# Altium PCB IFAT6.PcbDoc (part 1 of 5) (continued)
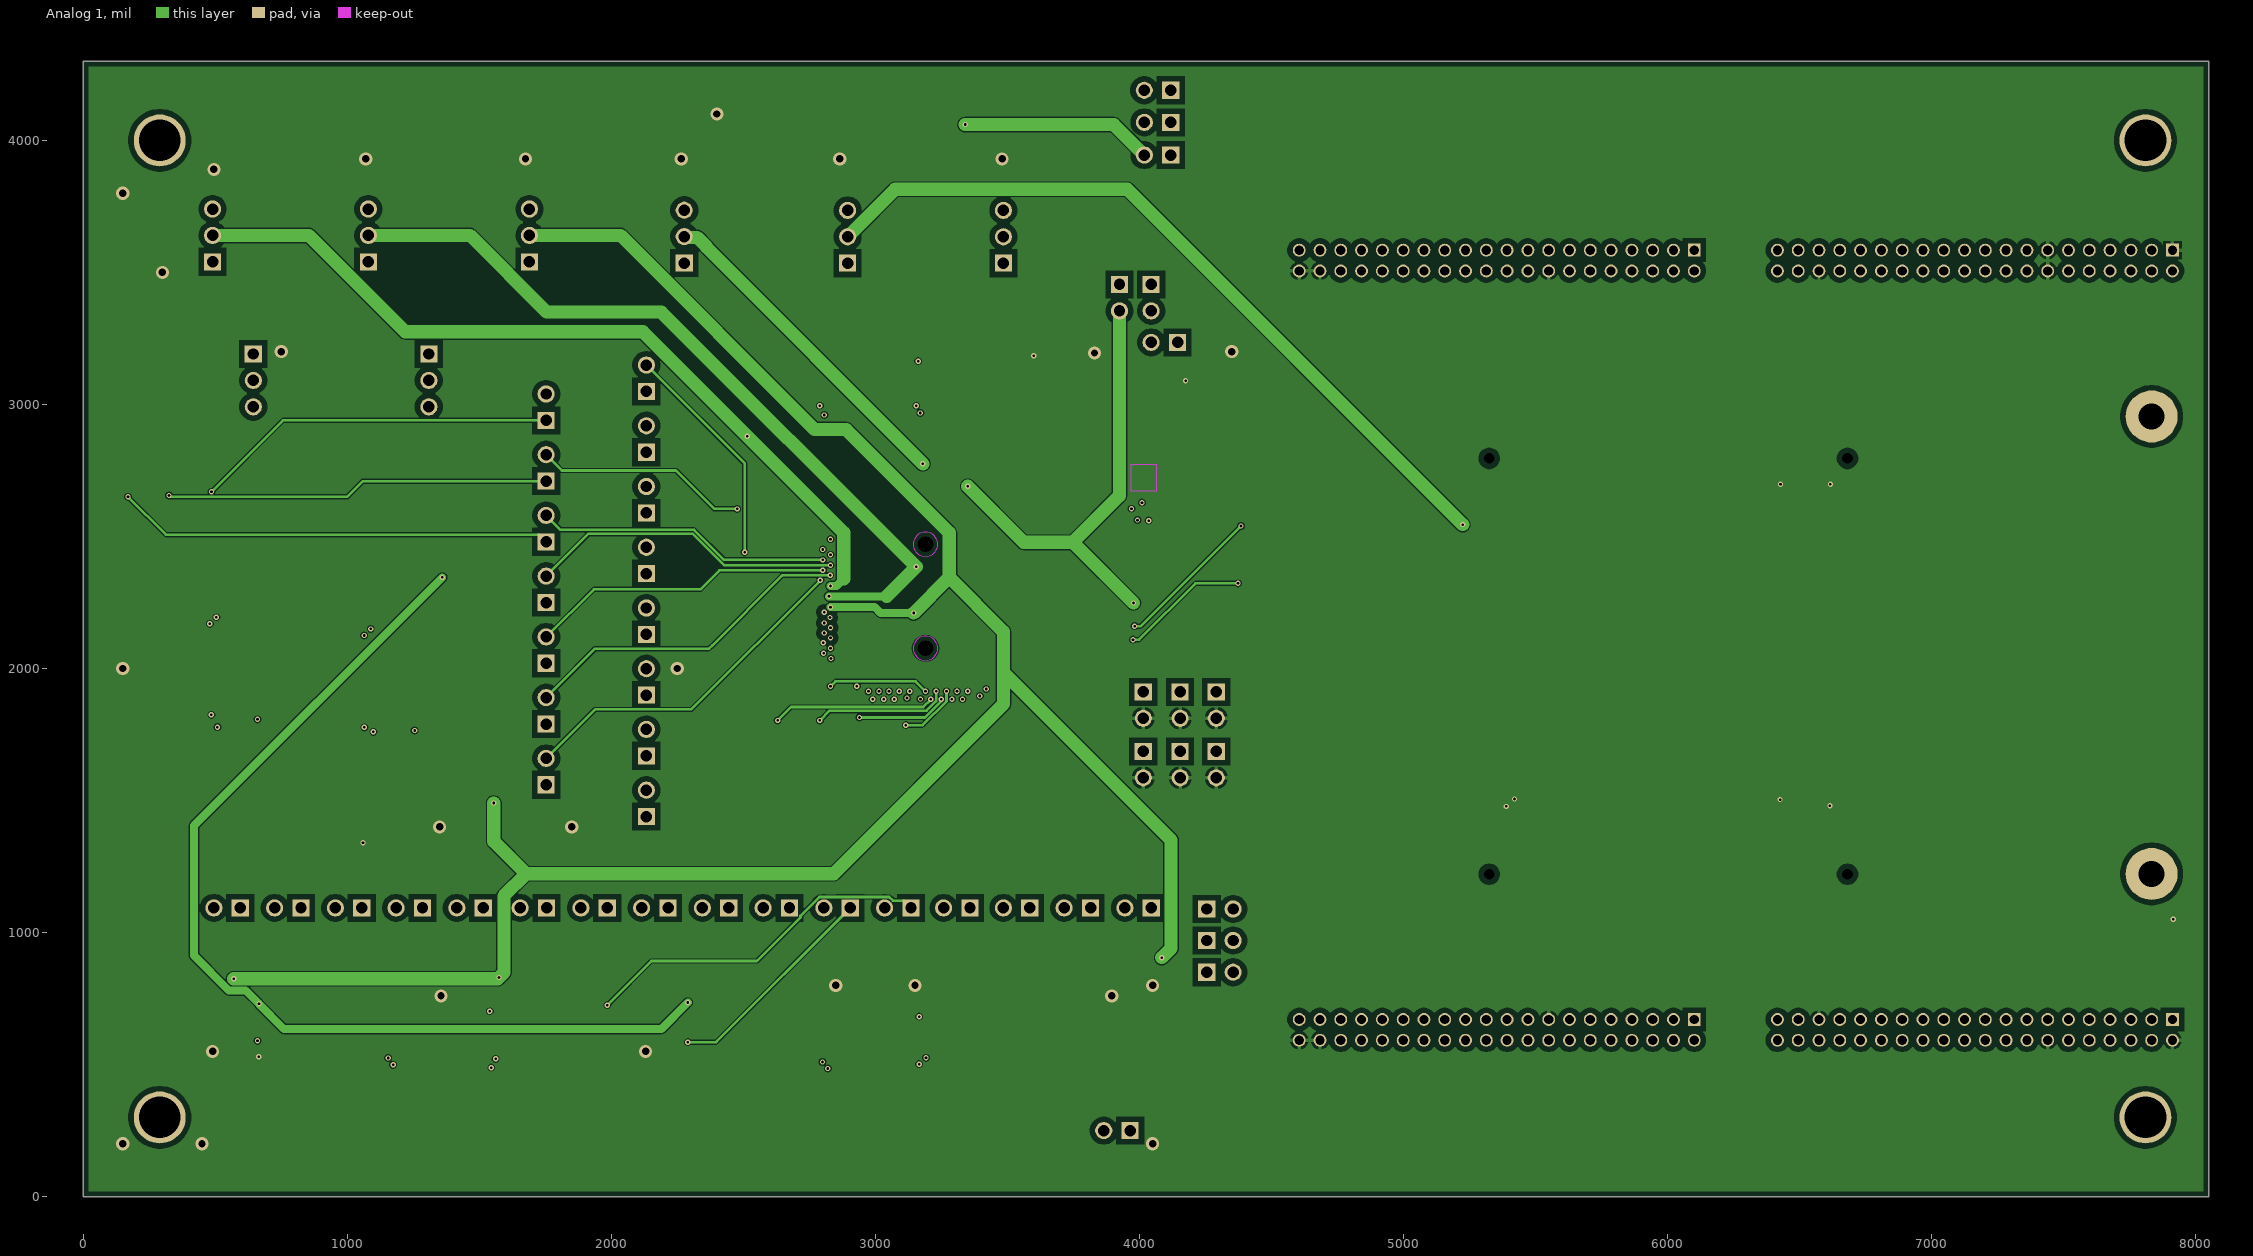
[diagram p4: Analog 1]
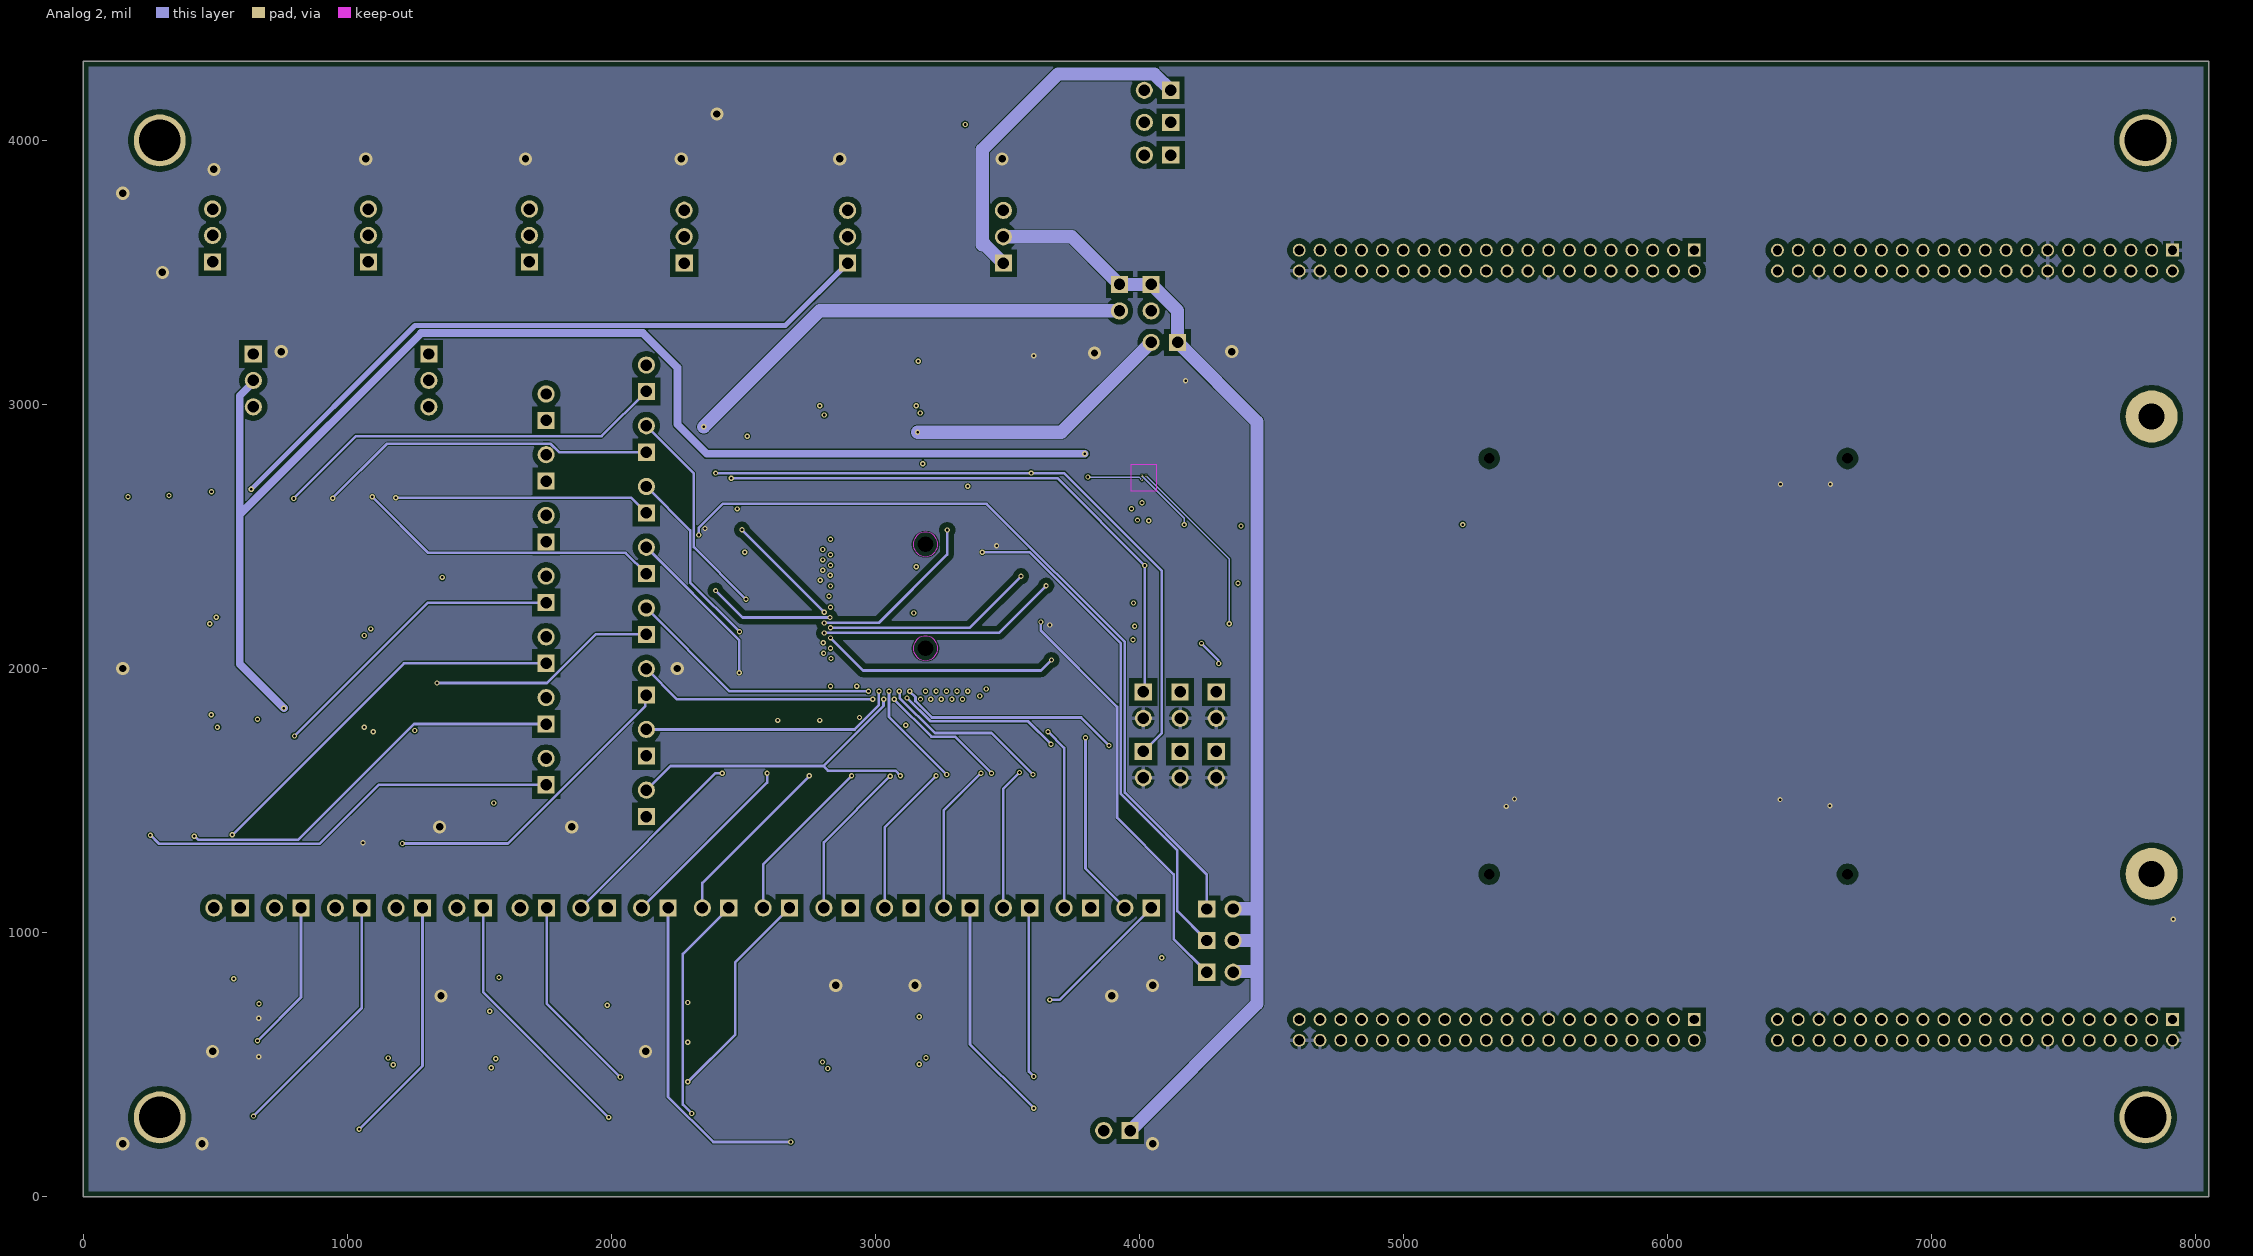
[diagram p5: Analog 2]
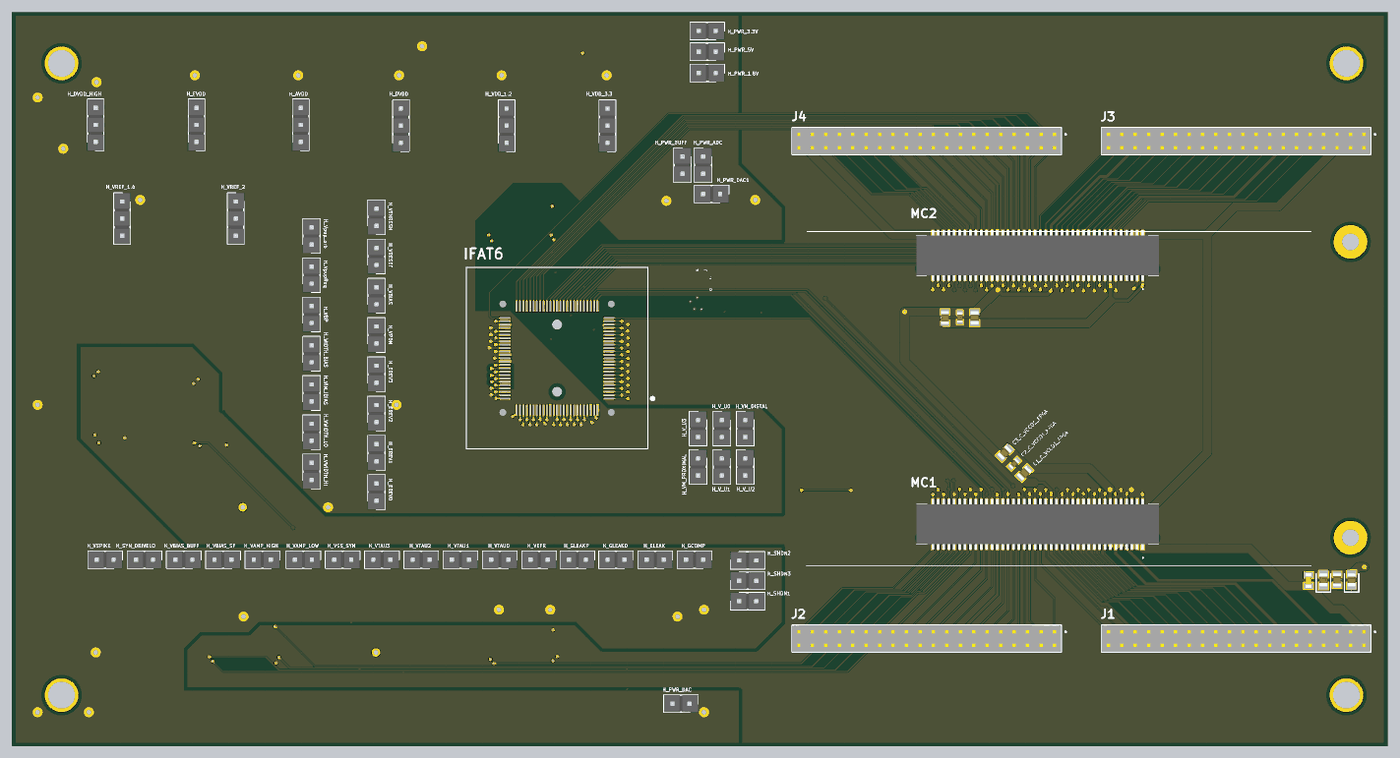
[diagram p10: 3D render of the assembled board from above, using the file's embedded part models]
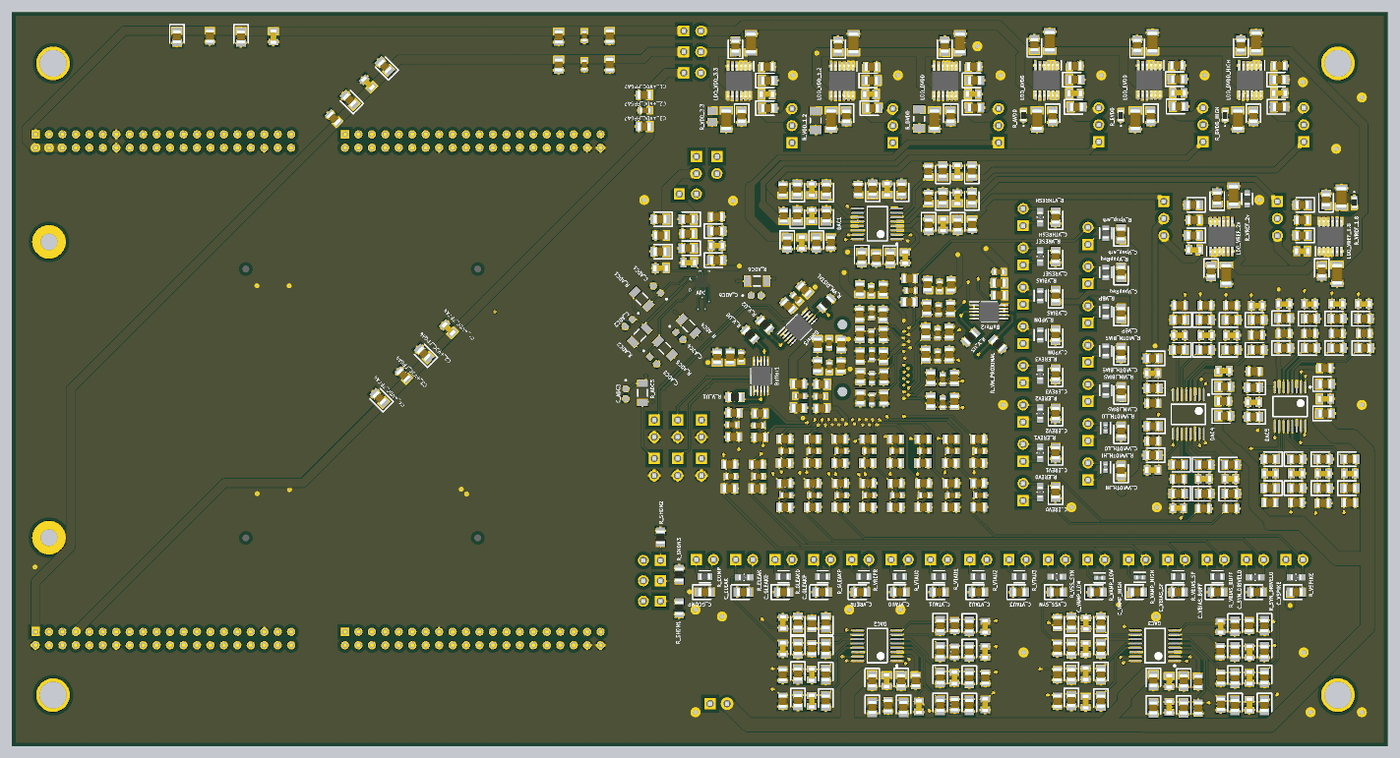
[diagram p11: 3D render of the assembled board from below, using the file's embedded part models]

## Layer stack, top to bottom
Top Solder: solder mask 1, SM-001, Dk 4
Top Digital: signal copper 1.378
Dielectric 1: prepreg 2.8, PP-006, Dk 4.1
Dielectric 2: prepreg 2.8, PP-006, Dk 4.1
Digital: signal copper 1.378
Dielectric 3: core 18, Core-035, Dk 4.7
GND: signal copper 1.378
Dielectric 4: prepreg 2.8, PP-006, Dk 4.1
Dielectric 5: prepreg 2.8, PP-006, Dk 4.1
Analog 1: signal copper 1.378
Dielectric 6: core 18, Core-035, Dk 4.7
Analog 2: signal copper 1.378
Dielectric 7: prepreg 2.8, PP-006, Dk 4.1
Dielectric 8: prepreg 2.8, PP-006, Dk 4.1
Bottom Analog: signal copper 1.378
Bottom Solder: solder mask 1, SM-001, Dk 4

## Board outline
0,0 8050,0 8050,4300 0,4300

## Design rules (kind name [scope] priority, off if disabled: settings)
BoardOutlineClearance [All] p1: gap=20 ignorepadtopadclearanceinfootprint=FALSE
Clearance Clearance_membrane_signals [InNetClass('Membrane_signals')] p1: gap=4 ignorepadtopadclearanceinfootprint=FALSE except(20: Arc-Fill Arc-Poly Arc-Region Track-Fill Track-Poly Track-Region SMDPad-Fill SMDPad-Poly SMDPad-Region THPad-Fill THPad-Poly THPad-Region Via-Fill Via-Poly Via-Region Fill-Fill Fill-Poly Fill-Region Fill-Hole Poly-Poly Poly-Region Poly-Hole Region-Region Region-Hole)
Clearance Clearance_power [InNetClass('Power')] p2: gap=4 ignorepadtopadclearanceinfootprint=FALSE except(20: THPad-Fill THPad-Poly THPad-Region Fill-Fill Fill-Poly Fill-Region Poly-Poly Poly-Region Region-Region)
Clearance [All] p3: gap=4 ignorepadtopadclearanceinfootprint=FALSE
HoleSize [All] p1: absolutevalues=TRUE maxlimit=200 minlimit=1 maxpercent=80.000 minpercent=20.000
HoleToHoleClearance [All] p1: gap=9 allowstackedmicrovias=TRUE
MinimumSolderMaskSliver [All] p1: minsoldermaskwidth=1.75
PasteMaskExpansion [All] p1: expansion=-1.97
PolygonConnect PolygonConnect_Power [InNetClass('Power')] p1: thpad.connectstyle=Relief thpad.reliefconductorwidth=15 thpad.reliefentries=4 thpad.polygonreliefangle="90 Angle" thpad.airgapwidth=10 smdpad.connectstyle=Relief smdpad.reliefconductorwidth=15 smdpad.reliefentries=4 smdpad.polygonreliefangle="90 Angle" smdpad.airgapwidth=10 via.connectstyle=Direct via.reliefconductorwidth=10 via.reliefentries=4 via.polygonreliefangle="90 Angle" via.airgapwidth=10
PolygonConnect [All] p2: connectstyle=Relief reliefconductorwidth=15 reliefentries=4 polygonreliefangle="90 Angle" airgapwidth=10
RoutingVias [All] p1: holewidth=10 width=20 viastyle="Through Hole" minholewidth=6 minwidth=8 maxholewidth=28 maxwidth=50
SilkToSolderMaskClearance [IsPad] p1: minsilkscreentomaskgap=0 clearancetoexposedcopper=TRUE
SolderMaskExpansion [All] p1: expansion=4 istentingtop=FALSE
Width Width_Power [InNetClass('Power')] p1: maxlimit=100 minlimit=10 preferedwidth=20
Width [All] p2: maxlimit=15 minlimit=4 preferedwidth=10
25 further rules are at their usual default settings.

## Classes and differential pairs
net class Membrane_signals: V_U_PROBE0 V_U_PROBE1 V_U_PROBE2 V_U_PROBE3 VMEM_DISTAL_PROBE VMEM_PROXIMAL_PROBE
component class U_Sig_Acq: ADC Buffer1 Buffer2 Buffer3 C_ADC1 C_ADC2 C_ADC3 C_ADC4 C_ADC5 C_ADC6 H_PWR_ADC H_PWR_BUFF H_SHDN1 H_SHDN2 H_SHDN3 H_V_U0 H_V_U1 H_V_U2 H_V_U3 H_VM_DISTAL H_VM_PROXIMAL R_ADC1 R_ADC2 R_ADC3 R_ADC4 R_ADC5 R_ADC6 R_SHDN1 R_SHDN2 R_SHDN3 R_V_U0 R_V_U1 R_V_U2 R_V_U3 R_VM_DISTAL R_VM_PROXIMAL
net class Power: +1.0VDD +VDC +VDC_1.8 +VDC_1.8_LDO +VDC_3.3 +VDC_3.3_LDO +VDC_ADC +VDC_BUFF +VDC_DAC +VDC_DAC1 +VDC_LDO AVDD AVDD_DAC AVDD_LDO DAC_VREF_1.8 DAC_VREF_2 DAC_VREF_INT DGND DVDD DVDD_DAC DVDD_HIGH DVDD_HIGH_DAC DVDD_HIGH_LDO DVDD_LDO EVDD EVDD_DAC EVDD_LDO NetC_3_AVDD_1 NetC_3_DVDD_1 NetC_3_DVDD_HIGH_1 NetC_3_EVDD_1 NetC_3_VDD_1.2_1 NetC_3_VDD_3.3_1 NetC_3_VREF_1.8_1 NetC_3_VREF_2v_1 VCCO_MC1 VDD3.3 VDD_1.2_DAC VDD_1.2_LDO VDD_3.3_LDO VREF_1.8_DAC VREF_1.8_LDO VREF_2_DAC VREF_2_LDO
channel class LDO_Pos: AVDD DVDD DVDD_HIGH EVDD VDD_1.2 VDD_3.3 VREF_1.8 VREF_2v
channel class Capx4: +VDC_FPGA1 +VDC_FPGA2 +VDC_FPGA3 AVDD_ADC AVDD_DAC DVDD_ADC DVDD_DAC DVDD_HIGH_DAC ELEAK_DAC EVDD_DAC GCOMP_DAC GLEAK_DISTAL_DAC GLEAK_PROXIMAL_DAC REF_ADC SYNAPSE_DRIVE_LOW_DAC U_Capx41 U_Capx42 U_Capx43 U_Capx44 U_Capx45 U_Capx46 U_Capx47 U_Capx48 V_EREV0_DAC V_EREV1_DAC V_EREV2_DAC V_EREV3_DAC V_TAU0_DAC V_TAU1_DAC V_TAU2_DAC V_TAU3_DAC VAMP_HIGH_DAC VAMP_LOW_DAC VBIAS_DAC VBIAS_SF_DAC VBIAS_UNITYBUFFER_DAC VBP_DAC VDC_DAC1 VDC_DAC2 VDC_DAC3 VDC_DAC4 VDC_DAC5 VDD_1.2_DAC VINPUT_CURRENT_BIAS_DAC VPDN_DAC Vpup_arb_DAC VpupReq_DAC VREF_1.8_DAC VREF_2_DAC VREF_DAC1 VREF_DAC2 VREF_DAC3 VREF_DAC4 VREF_DAC5 VREFR_DAC VRESET_DAC VSPIKE_DAC VSS_SYN_DAC VTHRESH_DAC WIDTH_BIAS_DAC WIDTH_BIAS_HIGH_DAC WIDTH_BIAS_LOW_DAC
channel class Capx3_small_bypass: +VDC_FPGA4 +VDC_FPGA5 C_+VDC1 C_+VDC2 C_+VDC3 C_AVDD C_AVDD1 C_AVDD2 C_EVDD1 C_EVDD2 C_VCCO1_FPGA DVDD DVDD_HIGH E_REV0 E_REV1 E_REV2 E_REV3 ELEAK GCOMP GLEAK_DISTAL GLEAK_PROXIMAL SYN_DR_LO V_TAU0 V_TAU1 V_TAU2 V_TAU3 VAMP_HIGH VAMP_LOW VBIAS VBIAS_BUFF VBIAS_SF VBP VIN_IBIAS VPDN Vpup_arb VpupReq VREFR VRESET VSPIKE VSS_SYN VTHRESH WIDTH_BIAS WIDTH_BIAS_HI WIDTH_BIAS_LO
net class V_U_PROBE[0..3]: V_U_PROBE0 V_U_PROBE1 V_U_PROBE2 V_U_PROBE3
net class V_TAU[0..3]: V_TAU0 V_TAU1 V_TAU2 V_TAU3
net class OUTPUT_DATA[0..13]: OUTPUT_DATA0 OUTPUT_DATA1 OUTPUT_DATA2 OUTPUT_DATA3 OUTPUT_DATA4 OUTPUT_DATA5 OUTPUT_DATA6 OUTPUT_DATA7 OUTPUT_DATA8 OUTPUT_DATA9 OUTPUT_DATA10 OUTPUT_DATA11 OUTPUT_DATA12 OUTPUT_DATA13
net class INPUT_DATA[0..23]: INPUT_DATA0 INPUT_DATA1 INPUT_DATA2 INPUT_DATA3 INPUT_DATA4 INPUT_DATA5 INPUT_DATA6 INPUT_DATA7 INPUT_DATA8 INPUT_DATA9 INPUT_DATA10 INPUT_DATA11 INPUT_DATA12 INPUT_DATA13 INPUT_DATA14 INPUT_DATA15 INPUT_DATA16 INPUT_DATA17 INPUT_DATA18 INPUT_DATA19 INPUT_DATA20 INPUT_DATA21 INPUT_DATA22 INPUT_DATA23
net class E_REV[0..3]: E_REV0 E_REV1 E_REV2 E_REV3
net class Digital: +1.0VDD +VCCBATT +VDC +VDC_1.8 +VDC_3.3 _setLFSR ADC_C\S\ ADC_SCLK ADC_SDI ARRAY_SHIFT_REG_CLK ASYNC_RST COL_SHIFT_REG_CLK DAC1_C\L\R\ DAC1_L\D\A\C\ DAC1_S\Y\N\C\ DAC1_SDI DAC2_C\L\R\ DAC2_L\D\A\C\ DAC2_S\Y\N\C\ DAC2_SDI DAC3_C\L\R\ DAC3_L\D\A\C\ DAC3_S\Y\N\C\ DAC3_SDI DAC4_C\L\R\ DAC4_L\D\A\C\ DAC4_S\Y\N\C\ DAC4_SDI DAC5_C\L\R\ DAC5_L\D\A\C\ DAC5_S\Y\N\C\ DAC5_SDI DAC_SCLK DGND FPGA_TCK FPGA_TDI FPGA_TDO FPGA_TMS INPUT_DATA0 INPUT_DATA1 INPUT_DATA2 INPUT_DATA3 INPUT_DATA4 INPUT_DATA5 INPUT_DATA6 INPUT_DATA7 INPUT_DATA8 INPUT_DATA9 INPUT_DATA10 INPUT_DATA11 INPUT_DATA12 INPUT_DATA13 INPUT_DATA14 INPUT_DATA15 INPUT_DATA16 INPUT_DATA17 INPUT_DATA18 INPUT_DATA19 INPUT_DATA20 INPUT_DATA21 INPUT_DATA22 INPUT_DATA23 INPUT_DATA_ACK INPUT_DATA_REQ MC1_15 MC1_16 MC1_17 MC1_18 MC1_19 MC1_20 MC1_21 MC1_22 MC1_23 MC1_24 MC1_25 MC1_26 MC1_27 MC1_28 MC1_29 MC1_30 MC1_31 MC1_32 MC1_33 MC1_34 MC1_37 MC1_38 MC1_39 MC1_40 MC1_41 MC1_42 MC1_43 MC1_44 MC1_45 MC1_46 MC1_47 MC1_48 MC1_49 MC1_50 MC1_51 MC1_52 MC1_53 MC1_57 MC1_58 MC1_59 MC1_61 MC1_63 MC1_65 MC1_77 MC1_79 MC2_10 MC2_12 MC2_18 MC2_42 MC2_46 MC2_48 MC2_50 MC2_77 MC2_79 NetJP1_3 NetJP1_12 OUTPUT_DATA0 OUTPUT_DATA1 OUTPUT_DATA2 OUTPUT_DATA3 OUTPUT_DATA4 OUTPUT_DATA5 OUTPUT_DATA6 OUTPUT_DATA7 OUTPUT_DATA8 OUTPUT_DATA9 OUTPUT_DATA10 OUTPUT_DATA11 OUTPUT_DATA12 OUTPUT_DATA13 SYS_CLK_MC1 SYS_CLK_MC2 VCCO_MC1 XADC_VN XADC_VP
net class Analog: V_U_PROBE0_BUFF V_U_PROBE1_BUFF V_U_PROBE2_BUFF V_U_PROBE3_BUFF VMEM_DISTAL_PROBE_BUFF VMEM_PROXIMAL_PROBE_BUFF
component class Power: C_ELEAK C_EREV0 C_EREV1 C_EREV2 C_EREV3 C_GCOMP C_GLEAKD C_GLEAKP C_SYN_DRIVELO C_VAMP_HIGH C_VAMP_LOW C_VBIAS C_VBIAS_BUFF C_VBIAS_SF C_VBP C_VIN_IBIAS C_VPDN C_Vpup_arb C_VpupReq C_VREFR C_VRESET C_VSPIKE C_VSS_SYN C_VTAU0 C_VTAU1 C_VTAU2 C_VTAU3 C_VTHRESH C_VWIDTH_HI C_VWIDTH_LO C_WIDTH_BIAS H_AVDD H_DVDD H_DVDD_HIGH H_ELEAK H_EREV0 H_EREV1 H_EREV2 H_EREV3 H_EVDD H_GCOMP H_GLEAKD H_GLEAKP H_PWR_1.8V H_PWR_3.3V H_PWR_5V H_SYN_DRIVELO H_VAMP_HIGH H_VAMP_LOW H_VBIAS H_VBIAS_BUFF H_VBIAS_SF H_VBP H_VDD_1.2 H_VDD_3.3 H_VEFR H_VIN_IBIAS H_VPDN H_Vpup_arb H_VpupReq H_VREF_1.8 H_VREF_2 H_VRESET H_VSPIKE H_VSS_SYN H_VTAU0 H_VTAU1 H_VTAU2 H_VTAU3 H_VTHRESH H_VWIDTH_HI H_VWIDTH_LO H_WIDTH_BIAS R_COMP R_ELEAK R_EREV0 R_EREV1 R_EREV2 R_EREV3 R_GLEAKD R_GLEAKP R_SYN_DRIVELO R_VAMP_HIGH R_VAMP_LOW R_VBIAS R_VBIAS_BUFF R_VBIAS_SF R_VBP R_VIN_IBIAS R_VPDN R_Vpup_arb R_VpupReq R_VREFR R_VRESET R_VSPIKE R_VSS_SYN R_VTAU0 R_VTAU1 R_VTAU2 R_VTAU3 R_VTHRESH R_VWIDTH_HI R_VWIDTH_LO R_WIDTH_BIAS
component class BRK7010: J1 J2 J3 J4 MC1 MC2

## Components (designator, comment, footprint, x,y, rotation, side; value= is the part's Value field where it differs from the comment)
ADC "ADS7067IYBHT" BGA16_YBH_TEX 4017.12,2722.12 r180 bottom
Buffer1 "OPA2320S" "TI OPA2320SAIDGSR" 3666.32,2169.01 r90 bottom
Buffer2 "OPA2320S" "TI OPA2320SAIDGSR" 2331.61,2544.68 r180 bottom
Buffer3 "OPA2320S" "TI OPA2320SAIDGSR" 3445.15,2454.64 r135 bottom
C1_+VDC_FPGA1 "Cap 10uF 0805" "KEMET C0805C106K4PACTU" 7587.5,971.42 r90 top value=10uF (schematic designator C1)
C1_+VDC_FPGA2 "Cap 10uF 0805" "KEMET C0805C106K4PACTU" 5967.06,3882.61 r45 bottom value=10uF (schematic designator C1)
C1_+VDC_FPGA3 "Cap 10uF 0805" "KEMET C0805C106K4PACTU" 6520,4156.5 r270 bottom value=10uF (schematic designator C1)
C1_+VDC_FPGA4 "Cap 10uF 0805" "KEMET C0805C106K4PACTU" 5495,2445 r45 bottom value=10uF (schematic designator C1)
C1_+VDC_FPGA5 "Cap 1nF 0805" "Samsung CL21B Series" 4552.5,3992.28 r270 bottom value=1nF (schematic designator C1)
C1_+VDC_FPGA6 "Cap 1nF 0805" "Samsung CL21B Series" 4552.5,4159.37 r270 bottom value=1nF (schematic designator C1)
C1_+VDC_FPGA7 "Cap 1nF 0805" "Samsung CL21B Series" 4350,3815 r0 bottom value=1nF (schematic designator C1)
C1_AVDD_ADC "Cap 10uF 0805" "KEMET C0805C106K4PACTU" 4088.58,2832.5 r0 bottom value=10uF (schematic designator C1)
C1_AVDD_DAC "Cap 10uF 0805" "KEMET C0805C106K4PACTU" 3369.48,3107.2 r90 bottom value=10uF (schematic designator C1)
C1_C_+VDC1 "Cap 1nF 0805" "Samsung CL21B Series" 3847.5,2280.63 r90 bottom value=1nF (schematic designator C1)
C1_C_+VDC2 "Cap 1nF 0805" "Samsung CL21B Series" 2272.89,2642.18 r0 bottom value=1nF (schematic designator C1)
C1_C_+VDC3 "Cap 1nF 0805" "Samsung CL21B Series" 3507.13,2580.88 r45 bottom value=1nF (schematic designator C1)
C1_C_AVDD "Cap 1nF 0805" "Samsung CL21B Series" 3312.38,1980 r0 bottom locked value=1nF (schematic designator C1)
C1_C_AVDD1 "Cap 1nF 0805" "Samsung CL21B Series" 3198.75,2227.2 r90 bottom locked value=1nF (schematic designator C1)
C1_C_EVDD1 "Cap 1nF 0805" "Samsung CL21B Series" 3335,2355.37 r270 bottom locked value=1nF (schematic designator C1)
C1_C_EVDD2 "Cap 1nF 0805" "Samsung CL21B Series" 3445.35,2121.99 r180 bottom locked value=1nF (schematic designator C1)
C1_C_VCCO1_FPGA "Cap 1nF 0805" "Samsung CL21B Series" 5925,1600 r45 top value=1nF (schematic designator C1)
C1_C_VCCO2_FPGA "Cap 1nF 0805" "Samsung CL21B Series" 5460,2511.24 r270 top value=1nF (schematic designator C1)
C1_DVDD "Cap 1nF 0805" "Samsung CL21B Series" 2951.25,2676.2 r90 bottom locked value=1nF (schematic designator C1)
C1_DVDD_ADC "Cap 10uF 0805" "KEMET C0805C106K4PACTU" 4253.62,2800 r0 bottom value=10uF (schematic designator C1)
C1_DVDD_DAC "Cap 10uF 0805" "KEMET C0805C106K4PACTU" 3427.81,2948.4 r270 bottom value=10uF (schematic designator C1)
C1_DVDD_HI "Cap 1nF 0805" "Samsung CL21B Series" 2553.92,2701.95 r90 bottom locked value=1nF (schematic designator C1)
C1_DVDD_HI_DAC "Cap 10uF 0805" "KEMET C0805C106K4PACTU" 2517.57,3368.69 r90 bottom value=10uF (schematic designator C1)
C1_E_REV0 "Cap 1nF 0805" "Samsung CL21B Series" 3039.37,1540.87 r180 bottom locked value=1nF (schematic designator C1)
C1_E_REV1 "Cap 1nF 0805" "Samsung CL21B Series" 2877.3,1540.87 r180 bottom locked value=1nF (schematic designator C1)
C1_E_REV2 "Cap 1nF 0805" "Samsung CL21B Series" 2715.24,1540.87 r180 bottom locked value=1nF (schematic designator C1)
C1_E_REV3 "Cap 1nF 0805" "Samsung CL21B Series" 2553.17,1540.87 r180 bottom locked value=1nF (schematic designator C1)
C1_EL_DAC "Cap 10uF 0805" "KEMET C0805C106K4PACTU" 3537.91,572.8 r270 bottom value=10uF (schematic designator C1)
C1_ELEAK "Cap 1nF 0805" "Samsung CL21B Series" 3673.75,1809.93 r0 bottom locked value=1nF (schematic designator C1)
C1_EVDD_DAC "Cap 10uF 0805" "KEMET C0805C106K4PACTU" 3369.39,3261.2 r90 bottom value=10uF (schematic designator C1)
C1_GCOMP "Cap 1nF 0805" "Samsung CL21B Series" 3827.3,1813.07 r0 bottom locked value=1nF (schematic designator C1)
C1_GCOMP_DAC "Cap 10uF 0805" "KEMET C0805C106K4PACTU" 3537.91,724.5 r90 bottom value=10uF (schematic designator C1)
C1_GL_DIS "Cap 1nF 0805" "Samsung CL21B Series" 3527.42,1799.43 r180 bottom locked value=1nF (schematic designator C1)
C1_GL_PROX "Cap 1nF 0805" "Samsung CL21B Series" 3365.36,1799.43 r180 bottom locked value=1nF (schematic designator C1)
C1_GLDIST_DAC "Cap 10uF 0805" "KEMET C0805C106K4PACTU" 3369.48,420 r270 bottom value=10uF (schematic designator C1)
C1_GLPROX_DAC "Cap 10uF 0805" "KEMET C0805C106K4PACTU" 3369.48,265.08 r270 bottom value=10uF (schematic designator C1)
C1_IN_IBIAS_DAC "Cap 10uF 0805" "KEMET C0805C106K4PACTU" 531.99,1597.46 r180 bottom value=10uF (schematic designator C1)
C1_REF_ADC "Cap 10uF 0805" "KEMET C0805C106K4PACTU" 785,2015 r0 bottom value=10uF (schematic designator C1)
C1_SYN_DR_LO "Cap 1nF 0805" "Samsung CL21B Series" 3201.44,1540.87 r180 bottom locked value=1nF (schematic designator C1)
C1_SYN_DRLO_DAC "Cap 10uF 0805" "KEMET C0805C106K4PACTU" 807.54,552.05 r270 bottom value=10uF (schematic designator C1)
C1_U_Capx41 "Cap 10uF 0805" "KEMET C0805C106K4PACTU" 1830.72,3824.43 r180 bottom value=10uF (schematic designator C1)
C1_U_Capx42 "Cap 10uF 0805" "KEMET C0805C106K4PACTU" 2424.79,3820.94 r180 bottom value=10uF (schematic designator C1)
C1_U_Capx43 "Cap 10uF 0805" "KEMET C0805C106K4PACTU" 632.5,3825.49 r180 bottom value=10uF (schematic designator C1)
C1_U_Capx44 "Cap 10uF 0805" "KEMET C0805C106K4PACTU" 1222.13,3827.5 r180 bottom value=10uF (schematic designator C1)
C1_U_Capx45 "Cap 10uF 0805" "KEMET C0805C106K4PACTU" 3026.25,3819.32 r180 bottom value=10uF (schematic designator C1)
C1_U_Capx46 "Cap 10uF 0805" "KEMET C0805C106K4PACTU" 3632.11,3819.32 r180 bottom value=10uF (schematic designator C1)
C1_U_Capx47 "Cap 10uF 0805" "KEMET C0805C106K4PACTU" 499.37,2900 r0 bottom value=10uF (schematic designator C1)
C1_U_Capx48 "Cap 10uF 0805" "KEMET C0805C106K4PACTU" 1131.27,2907.44 r0 bottom value=10uF (schematic designator C1)
C1_V_EREV0_DAC "Cap 10uF 0805" "KEMET C0805C106K4PACTU" 920,1566.57 r180 bottom value=10uF (schematic designator C1)
C1_V_EREV1_DAC "Cap 10uF 0805" "KEMET C0805C106K4PACTU" 1075,1566.57 r180 bottom value=10uF (schematic designator C1)
C1_V_EREV2_DAC "Cap 10uF 0805" "KEMET C0805C106K4PACTU" 1225,1395 r0 bottom value=10uF (schematic designator C1)
C1_V_EREV3_DAC "Cap 10uF 0805" "KEMET C0805C106K4PACTU" 1375,1618.43 r0 bottom value=10uF (schematic designator C1)
C1_V_TAU0 "Cap 1nF 0805" "Samsung CL21B Series" 3041.23,1799.43 r180 bottom locked value=1nF (schematic designator C1)
C1_V_TAU1 "Cap 1nF 0805" "Samsung CL21B Series" 2879.16,1799.43 r180 bottom locked value=1nF (schematic designator C1)
C1_V_TAU2 "Cap 1nF 0805" "Samsung CL21B Series" 2717.09,1799.43 r180 bottom locked value=1nF (schematic designator C1)
C1_V_TAU3 "Cap 1nF 0805" "Samsung CL21B Series" 2555.03,1799.43 r180 bottom locked value=1nF (schematic designator C1)
C1_VAMP_HI_DAC "Cap 10uF 0805" "KEMET C0805C106K4PACTU" 1766.38,259.24 r270 bottom value=10uF (schematic designator C1)
C1_VAMP_HIGH "Cap 1nF 0805" "Samsung CL21B Series" 3687.72,1650.87 r180 bottom locked value=1nF (schematic designator C1)
C1_VAMP_LOW "Cap 1nF 0805" "Samsung CL21B Series" 3849.78,1650.87 r180 bottom locked value=1nF (schematic designator C1)
C1_VAMP_LOW_DAC "Cap 10uF 0805" "KEMET C0805C106K4PACTU" 1766.38,425 r270 bottom value=10uF (schematic designator C1)
C1_VB_BUFF_DAC "Cap 10uF 0805" "KEMET C0805C106K4PACTU" 807.59,243.11 r270 bottom value=10uF (schematic designator C1)
C1_VBIAS "Cap 1nF 0805" "Samsung CL21B Series" 2535,2157.2 r90 bottom locked value=1nF (schematic designator C1)
C1_VBIAS_BUFF "Cap 1nF 0805" "Samsung CL21B Series" 3363.5,1540.87 r180 bottom locked value=1nF (schematic designator C1)
C1_VBIAS_DAC "Cap 10uF 0805" "KEMET C0805C106K4PACTU" 1217.8,2407.5 r0 bottom value=10uF (schematic designator C1)